# Altium PCB PCB_RF.PcbDoc (part 2 of 2)
Units mm, origin at the board's own origin, x right, y up, seen from the top; angles counter-clockwise.
Board outline 80 x 80 mm, 4 copper layers (Top Layer, GND, POWER, Bottom Layer), stack 1.512 mm thick; 138 components, 99 nets, 461 pads, 303 vias.
Unrouted connection lines stored in the file: 2.
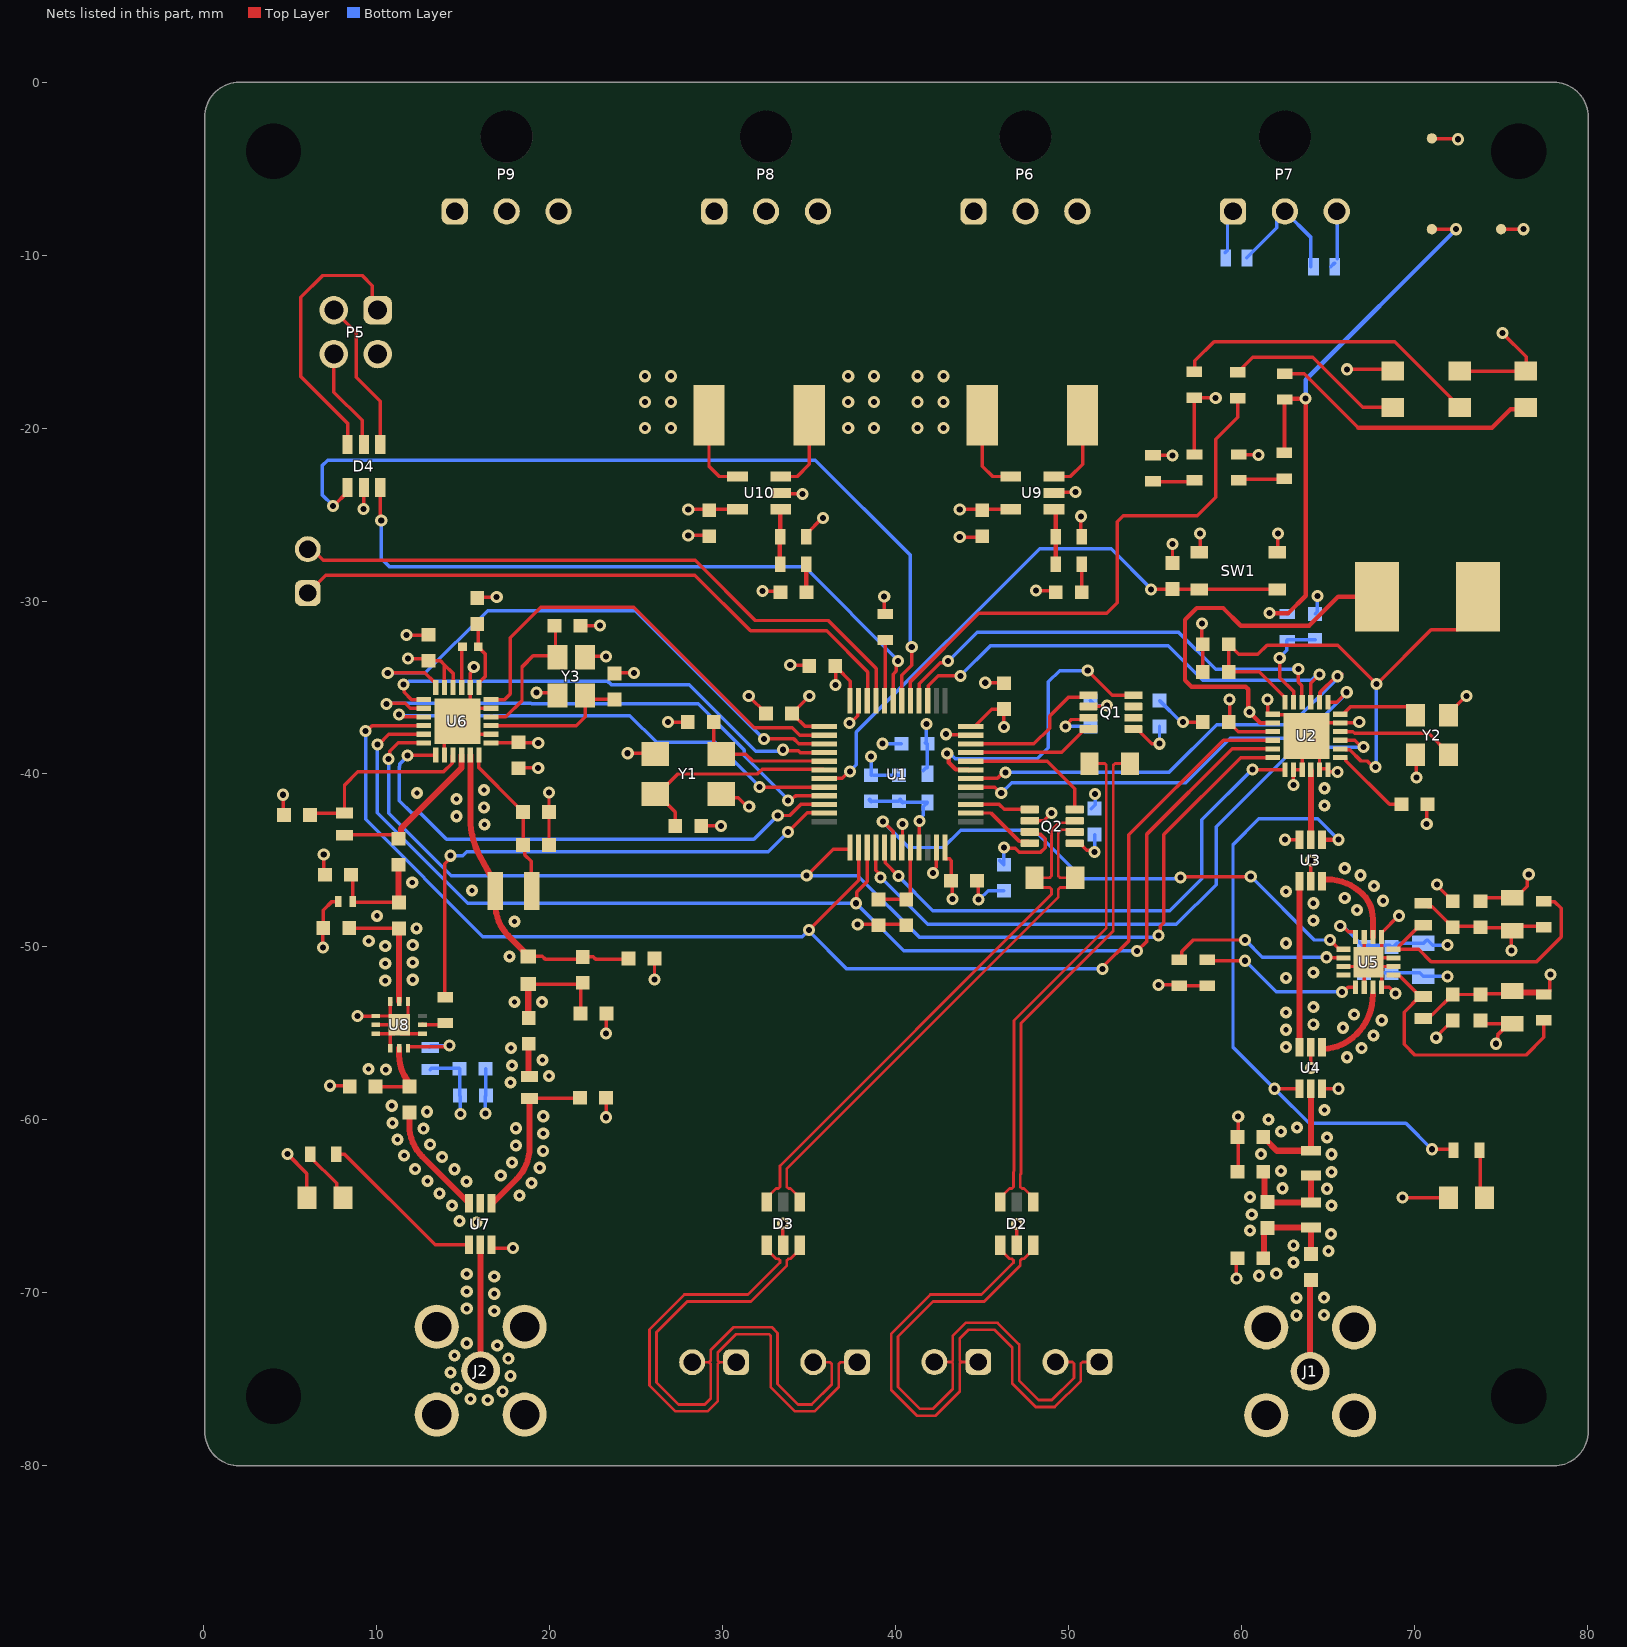
[diagram p4: the nets of this part, all layers, seen from the top]

## Part data (continued)
TP1 TP2 TP3: library part CMP-00028-00002-2, "0.6mm round", Pins=1
U1: library part CMP-020-00001-7, "Microcontroladores ARM (MCU) Mainstream Arm Cortex-M4+ MCU 170MHz 512Kbytes Math Accelerator High Analog"
U2: library part CMP-00025-00000-6, "Telecom Circuit", RoHS Compliant=Yes
U3 U4 U7: library part CMP-2000-05298-1, "IC RF Switch SPDT, 50 Ohm, 6-Pin SC70, RoHS, Tape and Reel", Frequency - Lower=10MHz, Frequency - Upper=3GHz, Insertion Loss @ Frequency=0.5dB@2GHz, Isolation @ Frequency=20dB@2GHz(typ), Manufacturer="Peregrine Semiconductor", Operating Temperature=-40degC~85degC, Package / Case=6-TSSOP,SC-88,SOT-363, Package Description="6-Pin Small Outline Transistor, Body 2.05 x 1.25 mm, Pitch 0.65 mm", Package Reference=SC-70-6, Standard Package=3,000, Voltage - Supply=1.8V~3.3V, Category=RF/IFandRFID, Circuit=SPDT, Datasheet URL=https://datasheet.ciiva.com/15100/getdatasheetpartid-685660-15100501.pdf, Datasheet Version=Jan-11, Family=RFSwitches, Features=Single/DualLineControl, IIP3=55dBm(typ), Impedance=50Ohm, Manufacturer URL=http://www.psemi.com/, Online Catalog=PE4259, Other Names=1046-1011-24259-63-ND425963PE4259PE4259SCBC-ZPE4259SCBC-Z-ND, P1dB=29dBm(typ)IP1dB, Packaging=Tape&Reel(TR), RF Type=GeneralPurpose, Series=UltraCMOS, Supplier Device Package=SC-70-6, Topology=Reflective
U5: library part CMP-00025-00005-4, "Amplificador de RF High Gain LNA"
U6: library part CMP-00025-00003-2, "SX1262 Series 3.7 V 22 dBm 960 MHz 300 kbps Long Range RF Transceiver - QFN - 24", Frequency=960MHz, Max Operating Temperature=85°C, Min Operating Temperature=-40°C, RoHS Compliant=Yes
U8: library part CMP-014-00006-1, "0.4-8GHZ Mmic Amplifier"
U9 U10: library part CMP-014-00004-3, "Shunt Current Measure Amplifier", Manufacturer="Texas Instruments", Manufacturer Part Number=INA138NA/3K
  U9: ClassName="5V OPAMP"
  U10: ClassName="3V3 OPAMP"
Y1: library part CMP-003-00170-1, "WE-XTAL Quartz Crystal, SMT, CFPX-104, 10MHz, +/-30ppm", Case/Package=CFPX-104, Frequency=10MHz, Frequency Stability=+/-30ppm, Load Capacitance=12pF, Manufacturer="Wurth Elektronik", Operating Temperature Max=85°C, Operating Temperature Min=-40°C, Category=Crystals, Component Type=Standard, ComponentLink1Description="Website Link", ComponentLink1URL=https://www.we-online.com/redexpert/article/830056583?ad, ComponentLink2Description="Datasheet Link", ComponentLink2URL=https://www.we-online.com/redexpert/spec/830056583?ad, Design Item ID=830056583, Frequency Tolerance=+/-30ppm, Height=1mm, Length=5mm, Manufacturer Part Number=830056583, Match Code=WE-XTAL, Mount="Surface Mount", Packaging="Tape and Reel", Pins=4, Source=WE-XTAL.SchLib, Width=3.2mm
Y2: library part CMP-003-00000-1, "Crystals 52.000 MHz 12 pF ECS-33B +/-7/15 ppm -40 - +85C +/-1 ppm Aging 3225 4-SMD RoHS"
Y3: library part CMP-003-00251-1, "WE-XTAL Quartz Crystal, SMT, CFPX-180, 32MHz, +/-10ppm", Case/Package=CFPX-180, Frequency=32MHz, Frequency Stability=+/-15ppm, Frequency Tolerance=+/-10ppm, Load Capacitance=9pF, Manufacturer="Wurth Elektronik", Operating Temperature Max=85°C, Operating Temperature Min=-40°C, Category=Crystals, Component Type=Standard, ComponentLink1Description="Website Link", ComponentLink1URL=https://www.we-online.com/redexpert/article/830103622909?ad, ComponentLink2Description="Datasheet Link", ComponentLink2URL=https://www.we-online.com/redexpert/spec/830103622909?ad, Design Item ID=830103622909, Height=0.8mm, Length=3.4mm, Manufacturer Part Number=830103622909, Match Code=WE-XTAL, Mount="Surface Mount", Packaging="Tape and Reel", Pins=4, Source=WE-XTAL.SchLib, Width=2.7mm

## Free pads (board coordinates)
  round 1.524 hole 3.2: 2(4.021,-75.987) 2(76.021,-75.987) 2(76.021,-3.987)
  round 1.524 hole 3.2 paste-2539.97 mask+0.6: 2(4.021,-3.987)

## Via types
v1: diameter 0.7, hole 0.35, Top Layer to Bottom Layer, 183 vias
v2: diameter 0.7, hole 0.3, Top Layer to Bottom Layer, 120 vias

## Nets (pads, with @x,y where several pads share a name; then routed paths per layer and width w, separated by ;. In a path a pad name is that pad's centre, name@x,y a point inside that pad or via, vN(x,y) a via of type N, cw(c..) or ccw(c..) an arc to the next point about the centre after c; other vN are vias at no path point)
3V3_Current+: D5.1 P6.3 P7.3 P8.3 P9.3 R5.1 U10.3 | length 7.9
  Top Layer w0.2: U10.3@33.4,-22.8 34.3,-22.8 35,-22.1 R5.1@35,-19.25
  Bottom Layer w0.2: D5.1@65.158,-10.668 D5.1@65.37,-10.455 ; D5.1@65.532,-10.204 P7.3@65.532,-7.366
  other v1: 37.25,-20 38.75,-20 37.25,-18.5 38.75,-18.5 37.25,-17 38.75,-17
3V3_Current-: C5.2 C9.2 C10.2 C11.2 C12.2 C14.1 C16.1 C19.2 C36.2 C42.2 D4.5 FB1.1 P5.4 Q1.5 Q2.5 R5.2 R6.2 R9.2 R18.2 TP2.1 U1.1 U1.24 U1.36 U1.48 U2.15 U3.6 U4.6 U6.1 U6.10 U6.11 U7.6 U10.4 | length 80.3
  Top Layer w0.2: P5.4@7.505,-15.72 7.505,-17.919 9.144,-19.558 D4.5@9.144,-21.082 ; v1(11.8,-33.325) 12.85,-33.325 C42.2@12.975,-33.45 13.675,-33.45 13.9,-33.675 ; U6.11@13.9,-35 13.9,-33.675 ; U6.10@14.4,-35 14.4,-34.175 13.9,-33.675 ; U6.1@16.6,-38.2 C36.2@18.05,-38.2 ; U7.6@16.625,-67.225 16.625,-67.285 16.75,-67.41 v1@17.75,-67.41 ; C36.2@18.179,-38.168 18.21,-38.199 v1(19.328,-38.199) ; R5.2@29.2,-19.25 29.2,-22.2 29.8,-22.8 U10.4@30.85,-22.8 ; C10.2@34.05,-36.45 v1(35,-35.5) ; C10.2@34.1,-36.5 34.1,-36.6 34.75,-37.25 U1.1@35.891,-37.25 ; C12.2@36.5,-33.75 36.525,-33.775 v1(36.525,-34.85) ; C12.2@36.6,-33.75 36.6,-33.85 37.379,-34.629 U1.48@37.379,-35.762 ; U1.24@42.85,-44.251 42.85,-44.839 42.9,-44.889 43.083,-44.889 43.2,-45.006 C9.2@43.2,-46.175 ; C9.2@43.25,-46.225 43.275,-46.25 v1(43.275,-47.225) ; U1.36@44.6,-37.2 45.551,-36.249 C11.2@46.258,-36.249 46.25,-36.258 v1(46.25,-37.275) ; Q2.5@50.35,-44 50.65,-44 51.054,-44.404 51.404,-44.404 v1(51.5,-44.5) ; Q1.5@53.745,-37.5 54.045,-37.5 54.795,-38.25 v1@55,-38.25 ; v1(59.3,-35.7) 59.3,-36.95 C19.2@59.25,-37 59.8,-37.55 U2.15@61.75,-37.55 ; v1(62.5,-43.8) U3.6@63.35,-43.8 ; U4.6@64.65,-58.2 v1(65.6,-58.2) ; TP2.1@71,-8.5 v1(72.4,-8.5)
  Top Layer w0.25: v1(61.6,-30.7) 62.7,-30.7 63.7,-29.7 v1(63.7,-18.3) ; R18.2@62.475,-21.425 62.475,-18.325 R6.2@62.5,-18.3 ; R6.2@62.55,-18.3 v1@63.6,-18.3
  Bottom Layer w0.2: FB1.1@41.6,-39.8 FB1.1@41.75,-39.65 ; C5.2@41.7,-38.2 C5.2@41.75,-38.25 ; C5.2@41.775,-38.2 v1(41.775,-37.1) ; FB1.1@41.825,-39.65 C5.2@41.825,-38.25 ; v1@51.5,-44.25 C16.1@51.5,-43.5 ; v1(55.25,-38.25) C14.1@55.25,-37.25 ; v1(61.6,-30.7) 62.596,-30.7 R9.2@62.646,-30.75
  Bottom Layer w0.25: v1(63.7,-18.3) 63.7,-17.2 72.3,-8.6 v1@72.4,-8.6
  other v1: 17.875,-67.4 25.5,-20 27,-20 25.5,-18.5 27,-18.5 25.5,-17 27,-17
5V_Current+: D6.1 P6.1 P7.1 P8.1 P9.1 R8.1 U9.3 | length 6.4
  Top Layer w0.2: U9.3@49.15,-22.8 50.1,-22.8 50.8,-22.1 R8.1@50.8,-20.1
  Bottom Layer w0.2: D6.1@59.037,-9.85 59.182,-9.705 P7.1@59.182,-7.483
5V_Current-: C13.1 C15.1 C23.2 C24.1 C25.2 C26.2 C27.1 C28.2 C33.2 C34.2 C35.2 C44.1 C48.1 C57.2 C59.2 L2.2 L3.2 L11.1 Q1.3 Q2.3 R7.2 R8.2 R11.2 R12.2 R17.2 TP1.1 U5.4 U9.4 U9.5 U10.5 | length 56
  Top Layer w0.2: v1(28,-24.7) 29.169,-24.7 C59.2@29.219,-24.75 ; C59.2@29.219,-24.7 U10.5@30.85,-24.7 ; v1(43.7,-24.7) 44.95,-24.7 C57.2@45,-24.75 ; R8.2@45,-19.25 45,-22.2 45.6,-22.8 U9.4@46.65,-22.8 ; C57.2@45.1,-24.6 45.2,-24.7 U9.5@46.65,-24.7 ; v1(46.25,-44.25) 46.295,-44.295 46.9,-44.295 47.13,-44.525 48.37,-44.525 48.636,-44.259 48.636,-43.741 48.37,-43.475 47.875,-43.475 Q2.3@47.75,-43.35 ; v1@50,-37 50.15,-36.85 Q1.3@51.145,-36.85 ; R17.2@57.275,-21.525 57.25,-21.5 R7.2@57.25,-18.25 v1(58.5,-18.25) ; v1(65.7,-48.8) 65.835,-48.8 66.167,-49.132 66.539,-49.132 66.589,-49.182 U5.4@66.589,-49.432 ; L3.2@70.6,-54.3 70.6,-54.225 70.9,-53.925 71.029,-53.925 C26.2@72.204,-52.75 ; L2.2@70.7,-47.6 70.788,-47.688 71.029,-47.688 C25.2@72.204,-48.863 ; C25.2@72.3,-48.8 73.745,-48.8 C24.1@73.809,-48.863 ; C26.2@72.35,-52.75 C27.1@73.809,-52.75 ; C27.1@73.9,-52.7 75.488,-52.7 C28.2@75.638,-52.55 ; C24.1@73.9,-48.9 75.474,-48.9 C23.2@75.638,-49.063 ; TP1.1@75,-8.5 v1(76.3,-8.5) ; v1(75.6,-50.2) 75.6,-49.101 C23.2@75.638,-49.063 ; R12.2@77.3,-52.7 75.788,-52.7 C28.2@75.638,-52.55 ; R11.2@77.3,-48.8 75.901,-48.8 C23.2@75.638,-49.063 ; v1(77.85,-51.6) 77.817,-51.633 77.817,-52.55 C28.2@75.638,-52.55
  Bottom Layer w0.2: L11.1@13.076,-57.09 13.14,-57.025 C48.1@14.775,-57.025 ; C44.1@14.78,-58.595 C48.1@14.78,-57.041 ; v1@14.8,-59.675 v1(14.825,-59.65) 14.825,-58.619 C44.1@14.801,-58.595 ; C15.1@46,-45 C15.1@46.25,-45.25 v1(46.25,-44.25) ; v1(49.825,-37.25) C13.1@51.25,-37.25 ; v1(65.7,-48.8) 65.796,-48.896 65.962,-48.896 C35.2@67.066,-50 ; C35.2@67.066,-49.9 68.571,-49.9 C34.2@68.671,-50 ; C34.2@68.721,-50.05 68.971,-49.8 C33.2@70.5,-49.8 70.688,-49.612 70.771,-49.612 70.771,-49.621 71.05,-49.9 v1(71.9,-49.9)
  other v1: 41.25,-20 42.75,-20 41.25,-18.5 42.75,-18.5 41.25,-17 42.75,-17
+3V3_ASensing: C60.2 R23.1 | length 1.5
  Top Layer w0.254: R23.1@34.83,-27.884 34.83,-29.33 C60.2@34.9,-29.4
+3V3_VSensing: R18.1 R22.2 | length 2.7
  Top Layer w0.2: R22.2@59.825,-23.025 59.9,-22.95 R18.1@62.5,-22.95
+5V_ASensing: C58.2 R19.1 | length 1.4
  Top Layer w0.2: C58.2@50.75,-29.488 50.75,-28.15 R19.1@50.8,-28.1
+5V_VSensing: R17.1 R21.2 | length 2.9
  Top Layer w0.2: R21.2@54.725,-23.05 54.775,-23.1 54.875,-23.1 R17.1@57.625,-23.1
BOOT0: R1.2 U1.44 | length 3.5
  Top Layer w0.2: R1.2@39.375,-32.25 39.379,-32.254 U1.44@39.379,-35.762
  Top Layer w0.254: R1.2@39.41,-32.254 R1.2@39.431,-32.234
CAN1_N: D2.4 Q1.6 R2.1 | length 28.9
  Top Layer w0.16: D2.4@47.95,-64.75 47.95,-64.5 47.42,-63.97 47.294,-63.97 47.2,-63.876 47.2,-63.173 47.244,-63.129 47.244,-54.414 52.575,-49.083 52.575,-39.494 52.669,-39.4 R2.1@53.55,-39.4
CAN1_P: D2.6 Q1.7 R2.2 | length 28.9
  Top Layer w0.16: D2.6@46.05,-64.75 46.05,-64.5 46.58,-63.97 46.706,-63.97 46.8,-63.876 46.8,-63.008 46.844,-62.964 46.844,-54.248 52.175,-48.917 52.175,-39.494 52.081,-39.4 R2.2@51.2,-39.4
CAN1C_N: D2.3 P1.2 P3.2 | length 34.4
  Top Layer w0.16: P1.2@42.23,-74 43.206,-74 ; D2.3@47.95,-67.25 47.95,-67.5 47.42,-68.03 47.294,-68.03 47.2,-68.124 47.2,-68.422 45.118,-70.504 42.164,-70.504 40.132,-72.536 40.132,-75.438 41.402,-76.708 42.136,-76.708 43.3,-75.544 43.3,-74.094 43.206,-74 ; P3.2@49.23,-74 50.206,-74 50.3,-74.094 50.3,-74.922 49.022,-76.2 48.26,-76.2 47.136,-75.076 47.136,-72.986 45.886,-71.736 44.042,-71.736 43.3,-72.478 43.3,-73.906 43.206,-74
CAN1C_P: D2.1 P1.1 P3.1 | length 35.7
  Top Layer w0.16: P1.1@44.77,-74 43.794,-74 ; D2.1@46.05,-67.25 46.05,-67.5 46.58,-68.03 46.706,-68.03 46.8,-68.124 46.8,-68.256 44.952,-70.104 41.998,-70.104 39.732,-72.37 39.732,-75.604 41.236,-77.108 42.302,-77.108 43.7,-75.71 43.7,-74.094 43.794,-74 ; P3.1@51.77,-74 50.794,-74 50.7,-74.094 50.7,-75.088 49.188,-76.6 48.094,-76.6 46.736,-75.242 46.736,-73.152 45.72,-72.136 44.208,-72.136 43.7,-72.644 43.7,-73.906 43.794,-74
CAN2_N: D3.4 Q2.6 R4.1 | length 30.9
  Top Layer w0.16: D3.4@34.45,-64.75 34.45,-64.5 33.92,-63.97 33.794,-63.97 33.7,-63.876 33.7,-62.822 49.4,-47.122 49.4,-46.664 49.494,-46.57 49.93,-46.57 50.375,-46.125 R4.1@50.375,-46 49.494,-46 49.4,-45.906 49.4,-43.41 49.585,-43.225 50.225,-43.225 Q2.6@50.35,-43.35
CAN2_P: D3.6 Q2.7 R4.2 | length 31.5
  Top Layer w0.16: D3.6@32.55,-64.75 32.55,-64.5 33.08,-63.97 33.206,-63.97 33.3,-63.876 33.3,-62.656 49,-46.956 49,-46.664 48.906,-46.57 48.47,-46.57 48.025,-46.125 R4.2@48.025,-46 48.906,-46 49,-45.906 49,-43.244 49.419,-42.825 50.225,-42.825 Q2.7@50.35,-42.7
CAN2C_N: D3.3 P2.2 P4.2 | length 35.2
  Top Layer w0.16: P4.2@28.23,-74.014 29.206,-74.014 ; D3.3@34.45,-67.25 34.45,-67.5 33.92,-68.03 33.794,-68.03 33.7,-68.124 33.7,-68.422 31.618,-70.504 27.94,-70.504 26.162,-72.282 26.162,-75.184 27.432,-76.454 28.956,-76.454 29.3,-76.11 29.3,-74.108 29.206,-74.014 ; P2.2@35.23,-74.014 36.206,-74.014 36.3,-74.108 36.3,-75.29 35.136,-76.454 34.348,-76.454 33.166,-75.272 33.166,-72.318 32.838,-71.99 30.609,-71.99 29.3,-73.299 29.3,-73.921 29.206,-74.014
CAN2C_P: D3.1 P2.1 P4.1 | length 36.5
  Top Layer w0.16: P4.1@30.77,-74.014 29.794,-74.014 ; D3.1@32.55,-67.25 32.55,-67.5 33.08,-68.03 33.206,-68.03 33.3,-68.124 33.3,-68.256 31.452,-70.104 27.774,-70.104 25.762,-72.116 25.762,-75.35 27.266,-76.854 29.122,-76.854 29.7,-76.276 29.7,-74.108 29.794,-74.014 ; P2.1@37.77,-74.014 36.794,-74.014 36.7,-74.108 36.7,-75.456 35.302,-76.854 34.182,-76.854 32.766,-75.438 32.766,-72.484 32.672,-72.39 30.775,-72.39 29.7,-73.465 29.7,-73.921 29.794,-74.014
CAN_1_STB: Q1.8 U1.31 | length 17.8
  Top Layer w0.2: v1(51.1,-34.025) 52.521,-35.446 53.641,-35.446 Q1.8@53.745,-35.55
  Top Layer w0.254: v1(42.975,-38.825) 43.06,-38.91 43.06,-39.335 43.465,-39.74 44.19,-39.74 U1.31@44.225,-39.775
  Bottom Layer w0.2: v1(42.975,-38.825) 43.071,-38.921 43.231,-38.921 43.435,-39.125 48.175,-39.125 48.825,-38.475 48.825,-34.675 49.475,-34.025 v1(51.1,-34.025)
CAN_2_STB: Q2.8 U1.32 | length 7.9
  Top Layer w0.2: U1.32@44.338,-39.263 48.763,-39.263 50.35,-40.85 Q2.8@50.35,-42.05
FDCAN1_RX: Q1.4 U1.33 | length 6.7
  Top Layer w0.2: U1.33@45,-38.75 49.595,-38.75 50.845,-37.5 Q1.4@51.145,-37.5
FDCAN1_TX: Q1.1 U1.34 | length 8.2
  Top Layer w0.2: U1.34@44.513,-38.263 47.987,-38.263 48.9,-37.35 48.9,-36.65 50,-35.55 Q1.1@51.145,-35.55
FDCAN2_RX: Q2.4 U1.26 | length 4.1
  Top Layer w0.2: U1.26@44.346,-42.255 45.505,-42.255 47.127,-43.877 47.627,-43.877 Q2.4@47.75,-44
FDCAN2_TX: Q2.1 U1.27 | length 3.4
  Top Layer w0.2: U1.27@44.5,-41.75 44.513,-41.763 45.982,-41.763 46.269,-42.05 Q2.1@47.75,-42.05
GND: C1.2 C2.1 C3.1 C4.2 C5.1 C6.1 C7.1 C8.1 C9.1 C10.1 C11.1 C12.1 C13.2 C14.2 C15.2 C16.2 C17.1 C18.1 C19.1 C20.1 C21.1 C23.1 C24.2 C25.1 C26.1 C27.2 C28.1 C30.1 C31.1 C32.1 C33.1 C34.1 C35.1 C36.1 C37.1 C38.1 C40.1 C41.1 C42.1 C43.1 C44.2 C45.1 C46.1 C48.2 C50.1 C51.1 C52.1 C55.1 C56.1 C57.1 C58.1 C59.1 C60.1 D1.1 D2.2 D3.2 D4.2 D5.2 D6.2 D7.1 D8.1 D9.1 D10.1 J1.2 J1.3 J1.4 J1.5 J2.2 J2.3 J2.4 J2.5 L12.1 P5.2 P6.2 P7.2 P8.2 P9.2 Q1.2 Q2.2 R1.1 R13.1 R14.1 R20.1 R21.1 R22.1 R24.1 SW1.2 TP3.1 U1.19 U1.23 U1.35 U1.47 U2.5 U2.13 U2.20 U2.21 U2.23 U2.24 U2.25 U3.2 U4.2 U5.1 U5.3 U5.7 U5.10 U5.12 U5.14 U5.15 U5.17 U6.2 U6.5 U6.8 U6.20 U6.25 U7.2 U8.1 U8.3 U8.4 U8.5 U8.6 U8.7 U8.10 U8.13 U9.2 U10.2 Y1.2 Y1.4 Y2.2 Y2.4 Y3.2 Y3.4 | length 166.4
  Top Layer w0.2: v1(4.575,-41.2) 4.575,-42.325 C43.1@4.625,-42.375 ; v1(4.826,-61.976) 5.95,-63.1 D10.1@5.95,-64.5 ; v1(6.875,-50.025) 6.875,-49 C56.1@6.9,-48.975 ; C56.1@6.9,-48.925 6.9,-47.875 7.4,-47.375 L12.1@7.775,-47.375 ; C40.1@6.925,-45.75 v1@6.925,-44.775 ; v1@7.275,-57.975 7.325,-58.025 8.375,-58.025 C55.1@8.425,-58.075 ; v1(8.875,-54) 8.877,-53.997 9.928,-53.997 U8.4@9.93,-53.995 U8.13@10.8,-53.995 ; v1(9.225,-24.675) 9.225,-23.47 D4.2@9.25,-23.445 ; U8.6@9.93,-55.015 11.01,-55.015 U8.13@11.1,-54.925 ; U8.5@9.93,-54.505 11.12,-54.505 U8.13@11.125,-54.5 ; U8.3@10.75,-53.15 U8.3@10.8,-53.2 ; U8.7@10.775,-55.86 10.775,-54.925 U8.13@10.925,-54.775 ; U8.13@10.775,-54.025 U8.13@10.8,-54.05 ; U8.3@10.775,-53.225 10.775,-53.995 U8.13@11.285,-54.505 ; U8.13@11.2,-54.85 11.365,-55.015 U8.10@12.64,-55.015 ; v1(11.7,-31.975) 12.95,-31.975 C42.1@12.975,-31.95 ; U8.13@11.775,-54.175 11.795,-54.155 U8.1@11.795,-53.15 ; U6.20@13.9,-38.9 13.9,-37.7 U6.25@13.975,-37.625 ; U6.25@15.4,-36.175 U6.8@15.4,-35 15.4,-34.16 15.6,-33.96 v1(15.6,-33.825) ; U6.25@15.45,-36.175 15.475,-36.2 U6.5@16.6,-36.2 ; U6.25@15.65,-37.7 U6.2@16.6,-37.7 ; C41.1@15.799,-29.821 15.845,-29.775 16.875,-29.775 v1@16.9,-29.75 ; C36.1@18.225,-39.714 C36.1@18.179,-39.668 18.197,-39.65 v1@19.4,-39.65 ; v1(19.225,-35.3) 20.278,-35.3 Y3.4@20.434,-35.456 ; C45.1@19.95,-44.15 C46.1@19.95,-42.2 v1@19.95,-41.1 ; C38.1@21.775,-31.425 v1(22.9,-31.425) ; Y3.2@22.034,-33.256 22.09,-33.2 v1(23.25,-33.2) ; v1@23.25,-59.925 C52.1@23.25,-58.725 ; v1@23.25,-54.975 23.25,-53.875 C51.1@23.275,-53.85 ; C37.1@23.825,-34.15 v1(24.875,-34.15) ; v1(24.5,-38.8) 26.05,-38.8 Y1.2@26.1,-38.85 ; v1@26.025,-51.725 26.05,-51.7 C50.1@26.05,-50.675 ; v1(26.825,-37) C1.2@27.975,-37 ; v1(28,-26.2) 29.169,-26.2 C59.1@29.219,-26.25 ; C4.2@28.75,-43 v1(29.9,-43) ; Y1.4@29.9,-41.15 30.118,-41.368 30.883,-41.368 31.39,-41.875 v1(31.525,-41.875) ; v1(31.5,-35.5) C10.1@32.5,-36.5 ; v1(32.297,-29.428) 33.271,-29.428 C60.1@33.33,-29.488 ; U10.2@33.35,-23.75 33.4,-23.8 v1(34.6,-23.8) ; v1(33.475,-66) 33.475,-67.225 D3.2@33.5,-67.25 ; v1(33.9,-33.7) 34.95,-33.7 C12.1@35,-33.75 ; R24.1@34.83,-26.279 34.83,-26.129 35.76,-25.2 v1(35.8,-25.2) ; v1(37.318,-37.063) 37.374,-37.063 37.8,-36.637 37.8,-35.841 U1.47@37.879,-35.762 ; v1(37.8,-48.7) 38.95,-48.7 C3.1@39,-48.75 39.05,-48.7 C2.1@40.6,-48.7 ; v1(39.331,-29.734) 39.331,-30.681 R1.1@39.4,-30.75 ; U1.19@40.379,-44.238 40.39,-44.228 40.39,-42.91 v1(40.4,-42.9) ; v1(42.164,-45.72) 42.164,-45.585 42.35,-45.399 42.35,-44.267 U1.23@42.379,-44.238 ; v1(42.9,-37.7) 42.925,-37.725 44.342,-37.725 U1.35@44.367,-37.75 ; v1(43.7,-26.3) 44.95,-26.3 C57.1@45,-26.25 ; C9.1@44.7,-46.175 44.775,-46.25 v1(44.775,-47.25) ; v1(45.175,-34.725) 46.234,-34.725 C11.1@46.258,-34.749 ; D2.2@47,-67.25 v1(47,-66.025) ; Q2.2@47.75,-42.7 48.55,-42.7 v1(49,-42.25) ; v1(48.1,-29.4) 49.162,-29.4 C58.1@49.25,-29.488 ; U9.2@49.15,-23.75 49.2,-23.7 v1(50.4,-23.7) ; v1(50.7,-25.1) 50.7,-26.229 R20.1@50.75,-26.279 ; Q1.2@51.145,-36.2 51.273,-36.073 52.186,-36.073 v1(52.209,-36.049) ; R21.1@55.05,-21.575 v1(56,-21.575) ; v1(55.2,-52.2) 56.346,-52.2 R13.1@56.396,-52.25 ; C8.1@56,-27.8 v1(56,-26.7) ; R13.1@56.5,-52.2 56.55,-52.25 R14.1@58,-52.25 ; v1(56.6,-37) C19.1@57.75,-37 ; SW1.2@57.555,-27.179 57.6,-27.134 v1(57.6,-26.1) ; C21.1@57.7,-34 57.75,-33.95 C18.1@57.75,-32.5 57.7,-32.45 v1(57.7,-31.3) ; v1(59.7,-69.175) 59.7,-68.05 C32.1@59.75,-68 ; C31.1@59.75,-63 59.8,-62.95 C30.1@59.8,-61.1 ; C30.1@59.8,-60.95 v1(59.8,-59.8) ; R22.1@59.85,-21.55 v1(60.975,-21.55) ; v1(61.5,-35.7) 61.5,-36.5 61.55,-36.55 U2.13@61.8,-36.55 61.825,-36.575 62.525,-36.575 62.7,-36.75 U2.25@62.7,-36.9 ; SW1.2@62.055,-27.179 62.1,-27.134 v1(62.1,-26.1) ; v1(62.992,-40.64) 62.996,-40.636 62.996,-39.804 63.05,-39.75 U2.21@63.5,-39.75 63.5,-38.7 U2.25@63.6,-38.6 ; v1(64,-57) U4.2@64,-55.8 ; U3.2@64,-46.2 v1(64,-45) ; U2.25@64.5,-38.6 U2.23@64.5,-39.75 64.55,-39.7 U2.24@64.9,-39.7 ; U2.25@64.6,-37.2 64.75,-37.05 U2.5@65.7,-37.05 65.725,-37.025 66.775,-37.025 v1(66.8,-37) ; U2.24@65,-39.75 65,-39.828 65.05,-39.878 v1(65.532,-39.878) ; U5.7@65.889,-51.132 66.768,-51.132 U5.17@66.8,-51.1 ; v1(66.1,-16.6) 68.65,-16.6 D1.1@68.75,-16.7 ; U5.10@67.089,-52.332 67.089,-51.411 U5.17@67.2,-51.3 ; U5.3@67.089,-49.432 67.089,-50.389 U5.17@67.2,-50.5 ; U5.17@67.7,-50.7 67.768,-50.632 U5.15@68.789,-50.632 ; U5.17@67.7,-50.132 68.064,-50.132 68.089,-50.107 U5.1@68.089,-49.432 68.089,-49.182 69.07,-48.2 v1(69.1,-48.2) ; U5.17@67.8,-51.1 67.832,-51.132 U5.17@67.932,-51.132 ; U5.14@68.789,-51.132 U5.17@67.932,-51.132 ; v1(68.9,-52.7) 68.532,-52.332 U5.12@68.089,-52.332 68.089,-51.289 U5.17@67.932,-51.132 ; v1(69.3,-64.5) D9.1@71.95,-64.5 ; Y2.2@70.063,-38.9 70.1,-38.937 v1(70.1,-40.2) ; v1(70.7,-42.9) 70.7,-41.8 C17.1@70.75,-41.75 ; TP3.1@71,-3.25 71.025,-3.275 72.475,-3.275 v1(72.5,-3.3) ; v1(71.25,-55.25) 71.25,-55.204 C26.1@72.204,-54.25 ; v1(71.3,-46.4) 71.3,-46.459 C25.1@72.204,-47.363 ; Y2.4@71.963,-36.6 71.963,-36.5 72.963,-35.5 v1(73,-35.5) ; D8.1@72.75,-16.7 D7.1@76.429,-16.7 ; C27.2@73.65,-54.45 C28.1@75.438,-54.45 ; C24.2@73.9,-47.3 74.037,-47.163 C23.1@75.638,-47.163 75.838,-47.163 76.504,-46.497 76.504,-45.896 v1(76.6,-45.8) ; v1(74.7,-55.6) 74.796,-55.504 74.796,-55.092 C28.1@75.438,-54.45 ; v1(75.075,-14.5) 76.45,-15.875 76.45,-16.625 D7.1@76.375,-16.7 ; C28.1@75.638,-54.45 C28.1@75.438,-54.45
  Bottom Layer w0.2: v1(16.275,-59.625) 16.275,-58.621 C44.2@16.301,-58.595 ; C44.2@16.28,-58.57 C48.2@16.28,-57.041 ; C6.1@38.575,-40.073 v1(38.575,-39) ; C6.1@38.702,-40.073 C7.1@40.179,-40.073 ; v1(39.225,-38.25) C5.1@40.325,-38.25 ; v1(44.775,-47.25) 44.836,-47.25 45.336,-46.75 C15.2@46.25,-46.75 ; C13.2@51.25,-35.75 51.549,-36.049 v1(52.209,-36.049) ; C16.2@51.293,-42 51.525,-41.768 v1(51.525,-41.15) ; C14.2@55.25,-35.75 56.5,-37 v1(56.6,-37) ; D6.2@60.303,-10.16 62.039,-8.424 P7.2@62.039,-7.929 ; P7.2@62.5,-7.47 64.008,-8.978 D5.2@64.008,-10.664 ; C20.1@64.25,-30.75 64.375,-30.625 v1(64.375,-29.7) ; C35.1@67.2,-51.5 C34.1@68.671,-51.5 ; C34.1@68.8,-51.5 70.3,-51.5 C33.1@70.5,-51.7 v1(71.9,-51.7)
  other v1: 23.25,-59.85 7.275,-58.025 23.25,-55 26.05,-51.875 6.925,-44.65 19.95,-41.075 19.325,-39.65 16.925,-29.775
  other v2: 16.404,-76.196 15.406,-76.138 17.27,-75.696 14.604,-75.541 17.716,-74.801 14.258,-74.603 17.598,-73.808 14.493,-73.631 16.957,-73.04 15.193,-72.917 63.166,-71.302 64.754,-71.282 16.782,-71.055 15.193,-70.917 63.166,-70.302 64.754,-70.282 16.782,-70.055 15.193,-69.917 16.782,-69.055 61.006,-69.016 15.193,-68.917 61.999,-68.893 63.005,-68.254 65.016,-67.586 63.003,-67.254 65.171,-66.598 60.484,-66.403 15.765,-65.923 14.768,-65.854 60.583,-65.463 14.331,-64.955 65.191,-64.951 60.484,-64.468 18.249,-64.374 13.624,-64.248 64.939,-63.983 62.36,-63.952 18.936,-63.647 15.188,-63.564 12.917,-63.54 17.158,-63.219 65.191,-63.015 62.266,-62.956 14.48,-62.857 12.21,-62.833 19.415,-62.769 17.807,-62.458 13.773,-62.15 11.574,-62.062 61.115,-61.984 65.191,-61.987 19.613,-61.789 18.031,-61.484 13.078,-61.431 11.186,-61.14 64.942,-61.019 19.619,-60.789 62.266,-60.68 12.689,-60.51 18.031,-60.484 63.206,-60.445 10.9,-60.182 61.548,-59.984 19.619,-59.789 12.891,-59.531 64.794,-59.427 10.859,-59.183 17.718,-57.842 19.941,-57.46 10.513,-57.097 9.514,-57.061 17.817,-56.847 19.569,-56.531 66.09,-56.376 17.759,-55.849 66.94,-55.85 62.556,-55.787 67.625,-55.121 62.556,-54.787 65.863,-54.673 64.144,-54.475 68.099,-54.241 66.506,-53.906 62.556,-53.787 64.144,-53.475 17.956,-53.177 19.544,-53.177 10.481,-51.952 12.069,-51.9 62.556,-51.787 64.144,-51.475 10.481,-50.952 12.069,-50.9 17.672,-50.545 10.481,-49.952 12.069,-49.9 62.556,-49.787 9.528,-49.649 12.291,-48.925 17.947,-48.526 64.144,-48.475 9.999,-48.201 66.672,-47.862 64.144,-47.475 68.183,-47.332 65.958,-47.161 62.556,-46.787 15.494,-46.736 67.651,-46.485 12.044,-46.274 66.876,-45.853 65.962,-45.448 16.222,-42.926 14.606,-42.445 16.194,-41.927 64.794,-41.827 14.606,-41.445 12.319,-41.107 16.194,-40.927 64.794,-40.827